# Allegro board RK_EVB7_RK3588_LP4XD200P232SD8_V11_20230111YWQ.brd (continued)
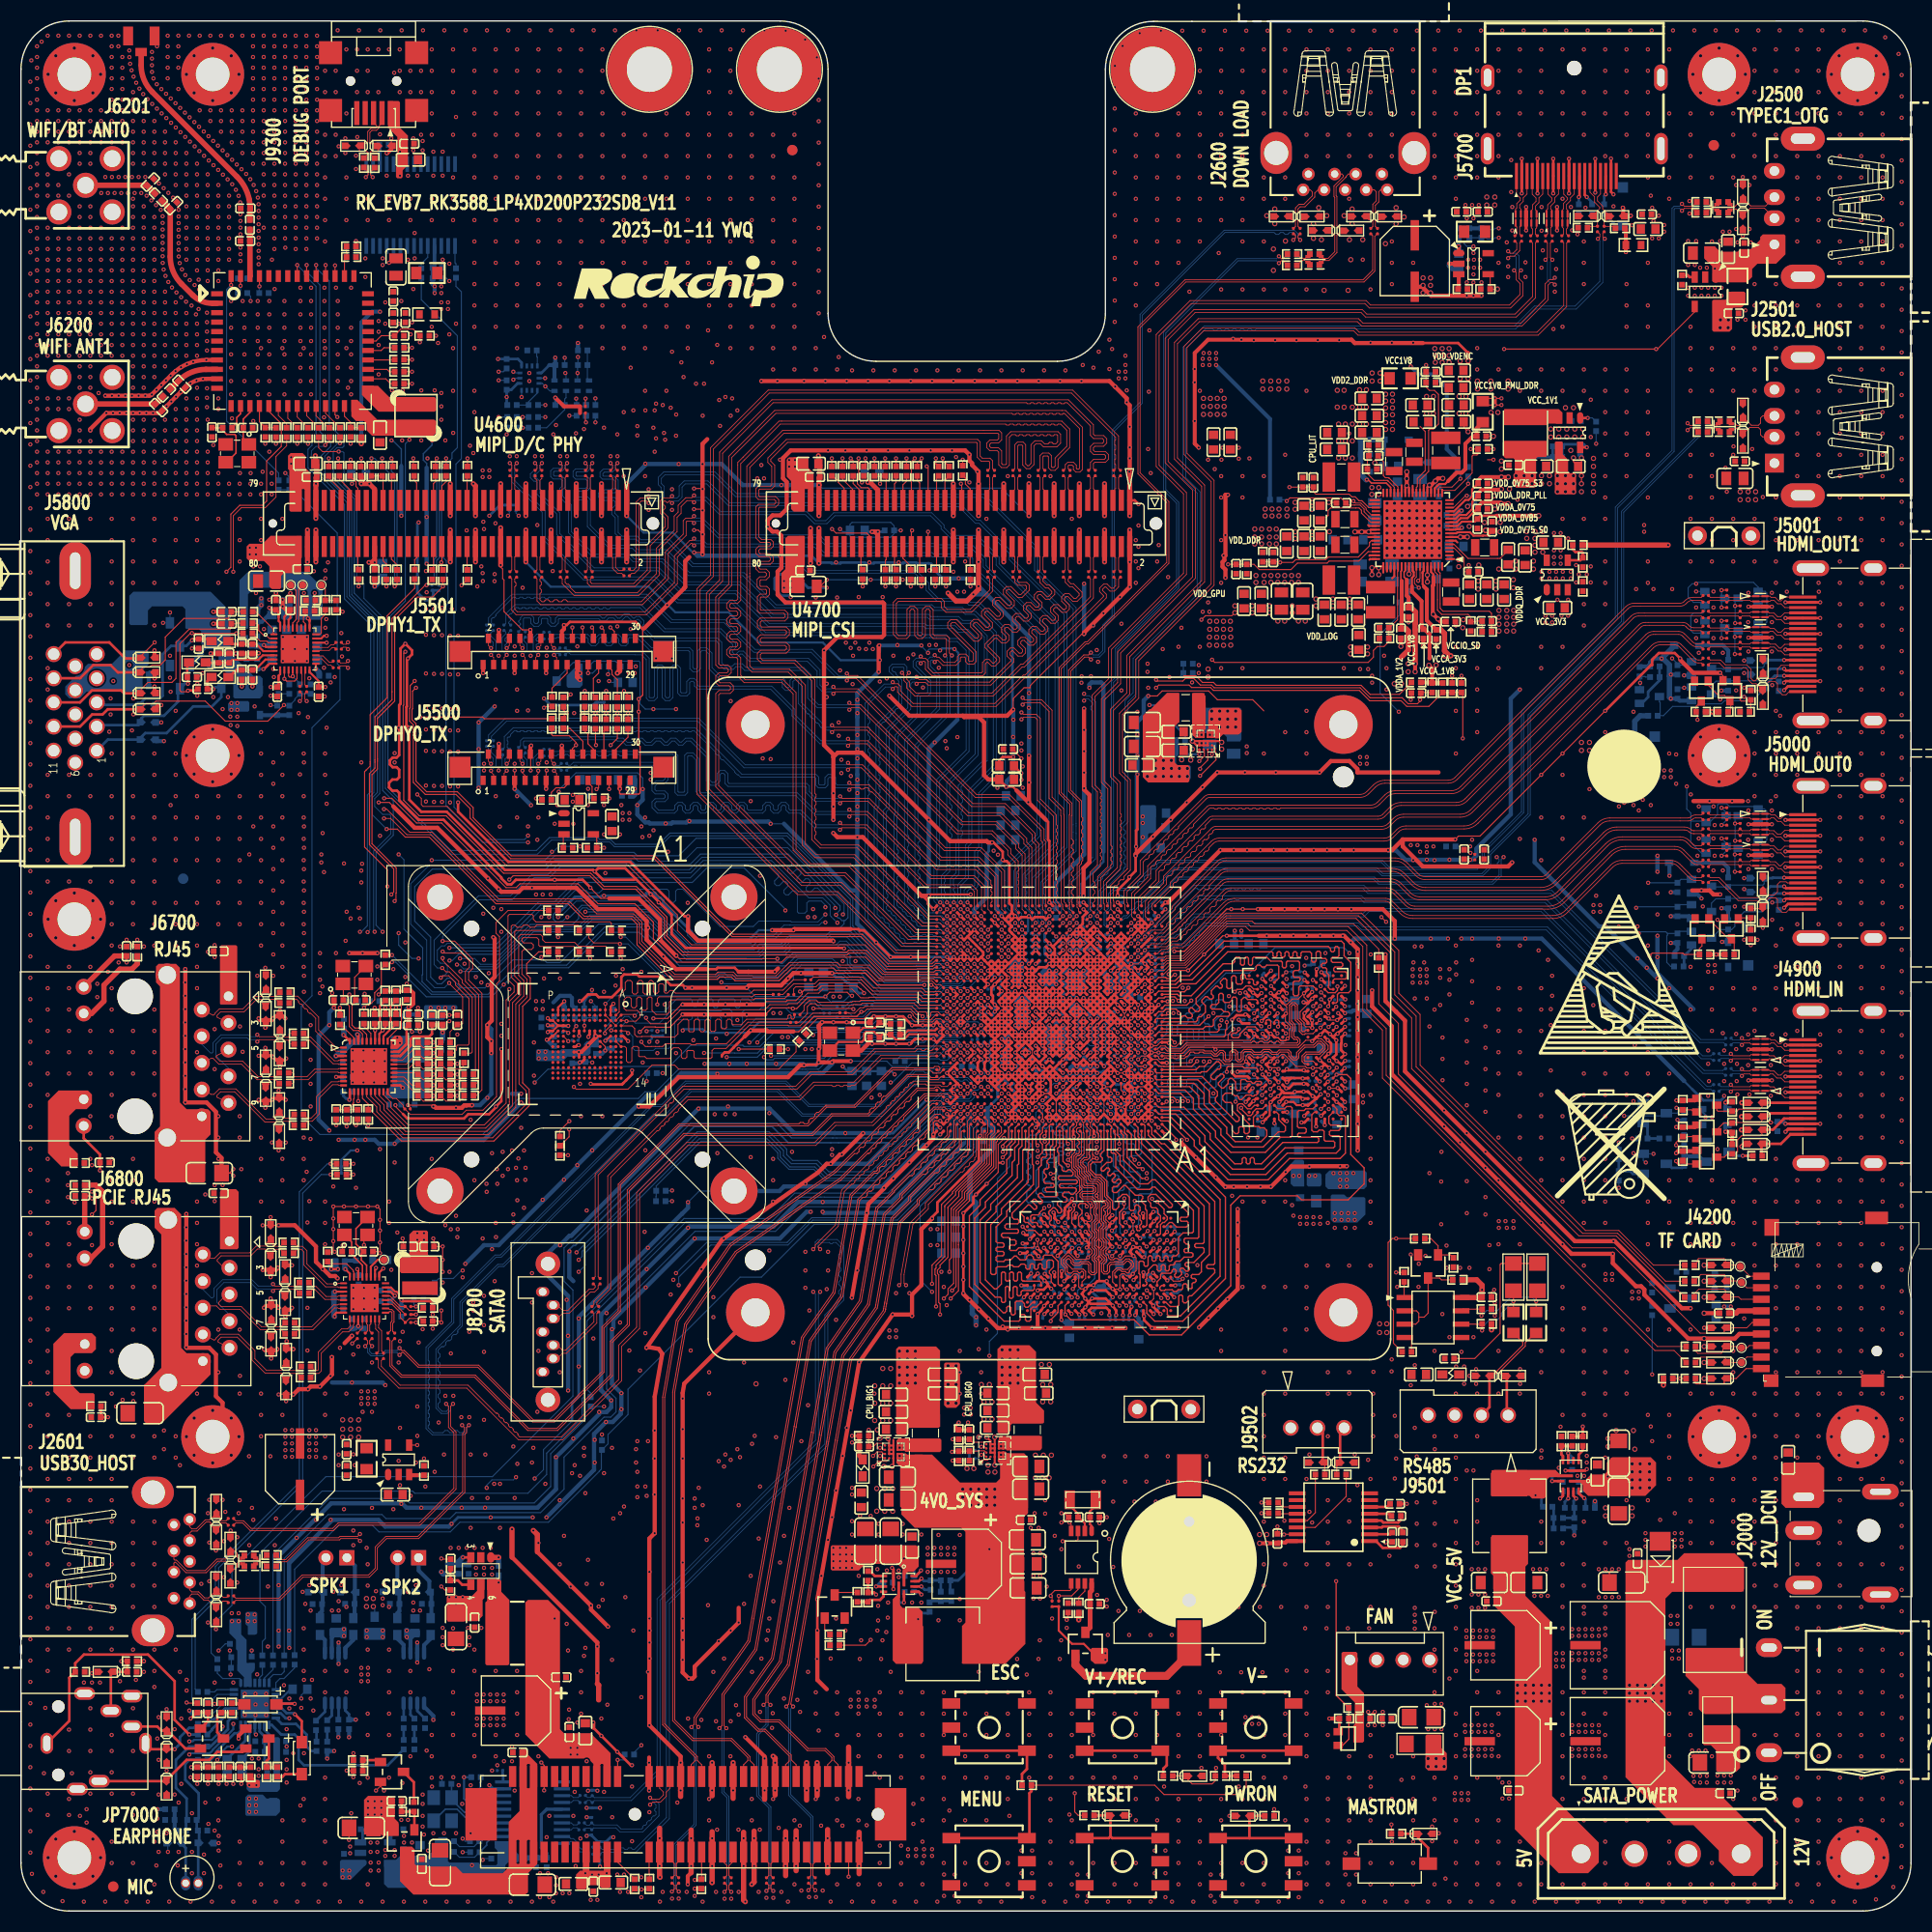
[diagram p0: board, top side]
## Routing (per net, layer and track width the routed paths; a pad name or vN(x,y) marks a point on that pad's centre or on a via; arc(x,y) is an arc through that point) (continued)
PHY0_CLKOUT125: length 1.9
  TOP w0.104: R6710.2 32.66,84.24 33.32,83.58 U6700.35
PHY0_LED0/CFG_EXT: length 5
  TOP w0.203: R6715.2 35.2,86.2 35.2,84.71 35.41,84.5 R6714.1 34.52,83.31 U6700.32
PHY0_LED1/CFG_LDO0: length 35.3
  TOP w0.203: U6700.33 34.12,83.54 v1(34.44,83.86) 34.7,84.11 R6718.1
  TOP w0.254: C6750.1 v1(10.06,90.34)
  TOP w0.508: J6700.11 8.9,90.95 C6750.1
  L6-S2 w0.254: v1(34.44,83.86) 33.17,85.13 27.84,85.13 25.68,87.29 23.39,87.29 20.73,89.96 17.55,89.96 16.66,90.85 10.57,90.85 v1(10.06,90.34)
PHY0_LED2/CFG_LDO1: length 43.9
  TOP w0.203: R6717.2 34.19,86.2 34.19,84.75 33.94,84.5 R6716.1 ; U6700.34 v1(33.72,83.86)
  TOP w0.254: v1(7.52,70.53) C6751.1 7.52,72.05 5.97,73.6 J6700.14 ; R6716.1 33.72,84.46 v1(33.72,83.86)
  L6-S2 w0.254: v1(33.72,83.86) 32.83,84.75 30.51,84.75 26.57,80.81 26.57,77.64 24.16,75.22 23.77,75.22 18.82,70.27 7.77,70.27 v1(7.52,70.53)
PHY0_MDI0+: length 8.1
  TOP w0.076: R6709.1 25.91,87.12 26.36,87.12 28.35,85.14 28.35,83.9 30.08,82.17 30.2,82.17 30.26,82.23 U6700.1
PHY0_MDI0-: length 8.3
  TOP w0.076: U6700.2 30.26,81.83 30.2,81.89 29.96,81.89 28.07,83.79 28.07,85.02 27.59,85.5 27.47,85.5 27.31,85.66 27.31,85.77 27.15,85.94 27.03,85.94 26.87,86.1 26.87,86.21 26.71,86.38 26.59,86.38 26.43,86.54 26.43,86.66 26.24,86.85 25.91,86.85 R6707.1
PHY0_MDI1+: length 4.9
  TOP w0.076: U6700.4 30.26,81.03 30.2,80.97 29.84,80.97 27.6,83.21 27.29,83.21 R6706.1
PHY0_MDI1-: length 4.9
  TOP w0.076: U6700.5 30.26,80.63 30.2,80.69 29.72,80.69 27.48,82.93 27.29,82.93 R6705.1
PHY0_MDI2+: length 5.8
  TOP w0.076: R6704.1 25.89,79.82 25.98,79.73 25.98,79.54 26.06,79.45 27.24,79.45 27.96,80.17 30.2,80.17 30.26,80.23 U6700.6
PHY0_MDI2-: length 5.8
  TOP w0.076: U6700.7 30.26,79.83 30.2,79.89 28.07,79.89 27.36,79.17 26.06,79.17 25.98,79.09 25.98,78.89 25.89,78.81 R6703.1
PHY0_MDI3+: length 6.3
  TOP w0.076: R6702.1 27.29,75.49 27.61,75.49 28.14,76.02 28.14,77.56 29.55,78.97 30.2,78.97 30.26,79.03 U6700.9
PHY0_MDI3-: length 6.3
  TOP w0.076: R6700.1 27.29,75.21 27.73,75.21 28.42,75.9 28.42,77.44 29.67,78.69 30.2,78.69 30.26,78.63 U6700.10
PHY0_REG_OUT:
  vias: v1(35.46,82.67) v1(35.84,83.17) v1(36.09,82.67)
PHY0_RSTN: length 4
  TOP w0.104: C6714.1 31.67,76.94 31.67,76.94 31.67,77.32 31.72,77.37 U6700.12 ; C6714.1 R6733.2 ; C6714.1 R6735.2
PHY0_RXCLK/PHYAD1: length 5.7
  TOP w0.086: R6740.1 39.45,82.21 38.31,82.21 R6723.1 37.62,82.53 37.62,82.32 36.33,81.03 U6700.27
PHY0_RXD0/RXDLY: length 7.9
  TOP w0.086: R6736.1 42.19,80.56 41.81,80.18 40.47,80.18 R6726.2 39.45,80.18 38.31,80.18 R6725.1 37.36,80.69 36.91,80.23 U6700.25
PHY0_RXD1/TXDLY: length 7.7
  TOP w0.086: U6700.24 37.64,79.83 R6729.1 38.31,79.16 39.45,79.16 R6728.2 40.47,79.16 41.81,79.16 42.2,79.55 R6737.1
PHY0_RXD2/PLLOFF: length 7.9
  TOP w0.086: R6738.1 42.2,78.53 41.81,78.15 40.47,78.15 R6731.2 39.45,78.15 38.31,78.15 R6730.1 37.24,78.65 36.46,79.43 U6700.23
PHY0_RXD3/PHYAD0: length 8.2
  TOP w0.086: U6700.22 36.41,79.03 R6721.1 38.31,77.13 39.45,77.13 R6722.2 40.47,77.13 41.81,77.13 42.2,77.52 R6739.1
PHY0_RXDV/PHYAD2: length 5.3
  TOP w0.086: U6700.26 36.67,80.63 37.74,81.7 R6724.1 38.31,81.19 39.45,81.19 R6741.1
PHY0_XTALIN: length 8.7
  TOP w0.104: Y6700.3 31.78,88.92 31.78,86.86 C6700.1 31.88,86.64 31.52,86.27 31.52,84.37 31.8,84.09 32.13,84.09 32.13,84.09 32.28,84.09 32.32,84.05 32.35,84.05 32.92,83.48 U6700.36
PHY0_XTALOUT: length 6.6
  TOP w0.104: Y6700.1 30.7,88.24 C6701.1 31.27,86.19 31.27,84.24 31.65,83.86 32.18,83.86 32.22,83.82 32.23,83.82 32.52,83.53 U6700.37
PHY1_MDI0+: length 7.2
  TOP w0.076: U6800.1 30.23,59.78 30.17,59.72 29.13,59.72 27.23,61.62 27.23,62.88 26.81,63.3 26.32,63.3 R6819.1
PHY1_MDI0-: length 7.2
  TOP w0.076: R6818.1 26.32,63.02 26.69,63.02 26.95,62.76 26.95,61.51 29.01,59.44 30.17,59.44 30.23,59.38 U6800.2
PHY1_MDI1+: length 3.9
  TOP w0.076: R6817.1 27.81,59.48 28.11,59.48 29.06,58.52 30.17,58.52 30.23,58.58 U6800.4
PHY1_MDI1-: length 3.9
  TOP w0.076: R6816.1 27.78,59.2 27.99,59.2 28.94,58.24 30.17,58.24 30.23,58.18 U6800.5
PHY1_MDI2+: length 5.7
  TOP w0.076: U6800.6 30.23,57.78 30.17,57.72 29.77,57.72 27.69,55.64 26.44,55.64 R6815.1
PHY1_MDI2-: length 5.7
  TOP w0.076: U6800.7 30.23,57.38 30.17,57.44 29.88,57.44 27.8,55.36 26.44,55.36 R6814.1
PHY1_MDI3+: length 7.4
  TOP w0.076: U6800.9 31.32,55.9 31.38,55.84 31.38,55.71 31.1,55.44 30.52,55.44 28.32,53.24 28.32,51.55 28.24,51.48 27.97,51.48 R6813.1
PHY1_MDI3-: length 7.9
  TOP w0.076: U6800.10 31.72,55.9 31.65,55.84 31.65,55.6 31.21,55.16 30.63,55.16 28.6,53.13 28.6,51.44 28.36,51.2 27.96,51.2 R6812.1
PHY1_XTALIN: length 6.8
  TOP w0.152: Y6800.3 31.9,64.99 31.9,63.52 C6803.1 32.41,62.59 32.41,62 32.92,61.49 U6800.28
PHY1_XTALOUT: length 4.7
  TOP w0.152: U6800.29 32.52,61.5 31.49,62.52 C6802.1 31.49,63.71 Y6800.1
PI6C_OE: length 3.7
  BOTTOM w0.152: R8131.2 43.78,12.29 43.73,12.24 R8132.2 44.12,11.45 44.58,10.99 U8102.8
PI6C_PDN: length 2.2
  BOTTOM w0.152: U8102.7 44.47,10.34 44.37,10.43 R8128.2
PI6C_S0: length 5.8
  BOTTOM w0.104: R8112.2 43.2,5.12 41.75,5.12 R8110.2
  BOTTOM w0.152: U8102.2 44.92,7.09 44.35,6.52 44.35,6.27 R8112.2
PI6C_S1: length 5.5
  BOTTOM w0.104: R8115.2 43.15,6.14 41.75,6.14 R8113.2
  BOTTOM w0.152: U8102.3 44.93,7.74 43.84,6.64 R8115.2
PI6C_S2: length 2.4
  BOTTOM w0.152: U8102.4 44.95,8.39 44.09,7.53 R8118.2
PMIC_EXT_EN_OUT: length 32.8
  TOP w0.089: U2200.39 128.6,132.96 128.1,133.45 128.1,133.6 127.61,134.09 127.09,134.09 127.03,134.15
  TOP w0.104: 127.03,134.15 v1(126.9,134.28)
  L6-S2 w0.104: v1(150.01,139.74) 149.98,139.77 147.28,139.77 144.38,136.87 144.38,135.76 144.04,135.42 142.42,135.42 141.92,134.91 140.87,134.91 140.5,135.28 139.58,135.28 138.71,134.41 138.71,133.52 138.07,132.88 136.93,132.88 136.42,133.39 136.42,134.03 135.66,134.79 129.82,134.79 129.45,134.42 127.04,134.42 v1(126.9,134.28)
  BOTTOM w0.104: R2304.1 v1(150.01,139.74)
PMIC_FB6: length 6.4
  TOP w0.102: C2216.2 128.23,138.47 R2204.1 128.23,136.89 128.87,136.25 130.13,136.25 130.19,136.18 130.21,136.18 130.79,135.6 U2200.31
  TOP w0.104: R2202.2 C2216.2
PMIC_FB9: length 10.3
  TOP w0.102: 134.9,123.89 135.31,123.48 137.82,123.48 138.07,123.23 R2208.1 138.61,122.79 138.67,122.85 C2233.2 R2207.2 ; U2200.66 134.64,127.55 134.9,127.29 134.9,124.88
  TOP w0.104: 134.9,123.89 134.9,124.88
PMIC_INT_L: length 254.9
  TOP w0.089: U2200.19 134.99,135.47 135.13,135.61 136.28,135.61 v1(137.09,136.41) ; U1000.M30 v1(89.49,81.75)
  L3-POWER1 w0.104: v1(70.76,81.32) 70.39,80.95 70.39,75.74 68.1,73.45 63.94,73.45 62.92,72.42 62.92,61.99 63.71,61.2 63.71,58.19 63.44,57.92 62.48,56.96 62.48,49.19 62.33,49.04 62.33,41.43 64.16,39.59 v1(64.16,39.28) ; v1(130.33,33.82) 130.45,33.95 130.45,35.47 130.17,35.76 130.17,46.73 130.17,48.84 131.91,50.57 131.91,52.1 134.37,54.56 134.52,54.71 134.52,83.3 137.06,85.84 137.06,91.96 137.56,92.45 137.56,98.33 139.18,99.95 139.18,100.79 140.26,101.86 140.26,116.47 140.39,116.6 140.39,116.6 143.05,119.26 143.05,130.07 142.75,130.37 142.75,131.66 143.05,131.96 143.05,133.34 141.48,134.91 140.77,134.91 140.27,135.42 140.11,135.42 139.12,136.41 v1(137.09,136.41)
  L6-S2 w0.104: v1(130.33,33.82) 129.39,33.82 129.29,33.93 117.52,33.93 117.5,33.95 98.83,33.95 97.18,35.6 90.2,35.6 89.56,36.24 80.67,36.24 78.68,38.23 74.04,38.23 72.85,39.41 64.26,39.41 64.16,39.31 v1(64.16,39.28)
  BOTTOM w0.089: v1(89.49,81.75) 89.17,82.08 89.17,82.48 89.17,82.48 89.17,82.54 88.92,82.78 87.48,82.78 86.57,81.87 86.42,81.87
  BOTTOM w0.104: v1(137.09,136.41) 137.09,136.85 R2214.2 ; 86.42,81.87 77.16,81.87 76.5,81.21 71.77,81.21 71.62,81.07 71.02,81.07 v1(70.76,81.32)
PMIC_PWR_CTRL1: length 150.9
  TOP w0.089: U1000.R32 v1(88.19,83.7) ; v1(133.07,126.69) 133.07,126.73 133.24,126.91 U2200.62
  L3-POWER1 w0.089: v1(88.19,83.7) 87.87,84.03 87.87,84.41 87.87,84.41 87.87,84.49 86.66,85.7
  L3-POWER1 w0.104: 86.66,85.7 86.08,86.27 85.25,86.27 83.45,88.07 76.53,88.07 73.5,91.1 72.99,91.1 71.15,92.94 71.15,100.99 66.41,105.72 66.41,139.88 65.3,140.99 65.3,142.03 v1(64.92,142.41)
  L6-S2 w0.104: v1(133.07,126.69) 132.64,126.69 132.11,126.15 125.12,126.15 122.45,128.82 119.15,128.82 118.26,129.71 117.25,129.71 116.99,129.96 116.99,131.23 113.31,134.91 95.15,134.91 88.5,141.56 67.42,141.56 66.93,142.05 65.75,142.05 65.73,142.03 65.3,142.03 v1(64.92,142.41)
PMIC_PWR_CTRL2: length 4.4
  TOP w0.089: v1(133.12,126.03) 132.72,126.43 132.72,126.87 132.89,127.05 132.89,128.06 U2200.61
  BOTTOM w0.104: R1115.2 132.23,124.69 R1116.1 132.56,126.02 133.12,126.02 133.12,126.03 v1(133.12,126.03)
PMIC_SPI_CLK: length 153.5
  TOP w0.089: U2200.17 136.33,134.36 137.82,135.84 v1(137.82,135.93)
  L3-POWER1 w0.104: v1(59.46,142.92) 59.08,142.53 59.08,141.58 59.08,141.58 59.08,141.26 59.08,141.26 59.08,138.6 58.95,138.47 58.95,133.03 58.57,132.65 58.57,131.47 59.46,130.58 59.46,129.14 59.46,107.61 60.98,106.09 60.98,101.96 60.22,101.2 60.22,97.1 60.35,96.97 60.35,96.66 60.1,96.41 60.1,91.35 60.86,90.59 60.86,87.54 61.68,86.72 61.68,86.18 61.67,86.17 61.67,80.36 v1(61.11,79.8)
  L6-S2 w0.104: v1(137.82,135.93) 137.82,136.44 135.92,138.34 129.95,138.34 129.36,137.76 129.36,137.74 129.11,137.49 120,137.49 119.66,137.84 113.44,137.84 112.04,136.44 103.91,136.44 102.26,138.09 95.16,138.09 91,142.26 68.35,142.26 67.77,142.83 66.63,142.83 66.05,142.83 65.77,143.11 62.45,143.11 62,142.66 60.63,142.66 60.51,142.54 59.84,142.54 v1(59.46,142.92)
  BOTTOM w0.104: v1(137.82,135.93) C2280.1 ; R1104.2 v1(61.11,79.8)
PMIC_SPI_CS: length 188.8
  TOP w0.089: 138.2,137.2 138.2,136.95 136.55,135.3 135.43,135.3 135.34,135.21 U2200.18 ; U1000.K30 89.82,80.13 v1(90.14,79.8)
  TOP w0.104: 138.2,137.2 138.2,138.57 138.31,138.67 138.66,138.67 138.77,138.78 R2212.1 v1(138.07,139.23)
  L3-POWER1 w0.104: v1(60.48,143.56) 60.51,143.53 60.51,143.39 60.86,143.04 60.86,141.9 61.73,141.03 61.73,137.78 62.64,136.87 62.64,114.85 62.89,114.59 62.89,113.92 62.55,113.58 62.55,100.5 62.1,100.06 62.1,94.65 61.62,94.17 61.62,93.62 62.1,93.13 62.1,92.74 63.25,91.6 65.04,89.8 65.23,89.8 66.69,89.8 66.69,89.81 67.33,89.81 67.71,89.42 67.71,85.48 67.61,85.38 67.61,84.09 67.71,83.99 67.71,82.39 67.97,82.14 67.97,78.15 66.07,76.24 v1(66.07,75.89)
  L6-S2 w0.089: v1(90.14,79.8) 89.75,79.42 86.42,79.42
  L6-S2 w0.104: 86.42,79.42 86.39,79.42 85.24,78.27 76.23,78.27 74.32,76.37 69.88,76.37 68.61,75.1 66.85,75.1 v1(66.07,75.89) ; v1(60.48,143.56) 60.48,143.56 60.73,143.8 66.06,143.8 66.34,143.52 67.97,143.52 67.97,143.53 68.48,143.53 68.48,143.52 69.14,143.52 69.71,142.95 100.45,142.95 105.44,137.96 110.13,137.96 111.15,138.98 116.66,138.98 117.04,139.36 137.03,139.36 137.04,139.35 137.95,139.35 v1(138.07,139.23)
PMIC_SPI_MOSI: length 189.1
  TOP w0.089: U2200.15 136.44,133.66 137.57,134.79 v1(137.69,134.79) ; v1(90.79,81.1) 90.76,81.07 90.75,81.07 U1000.L29
  TOP w0.104: R1107.2 v1(68.35,82.08)
  L3-POWER1 w0.104: v1(67.97,75.89) 68.35,76.27 v1(68.35,82.08) 67.95,82.49 67.95,84.14 67.85,84.24 67.85,85.29 67.95,85.39 67.95,89.52 67.43,90.04 66.6,90.04 65.13,90.04 63.48,91.69 62.51,92.66 62.51,100.14 62.78,100.41 62.78,113.45 63.14,113.82 63.14,114.85 62.89,115.1 62.89,137.02 61.96,137.95 61.96,141.13 61.12,141.97 v1(61.12,143.42)
  L6-S2 w0.089: 86.42,80.36 90.05,80.36 v1(90.79,81.1)
  L6-S2 w0.104: v1(61.12,143.42) 61.27,143.57 65.96,143.57 66.24,143.29 66.43,143.29 68.07,143.29 68.07,143.29 68.38,143.29 68.38,143.29 69.04,143.29 69.62,142.72 100.32,142.72 105.33,137.71 110.26,137.71 111.25,138.7 116.72,138.7 117.14,139.12 137.42,139.12 138.96,137.58 138.96,135.55 138.2,134.79 v1(137.69,134.79) ; 86.42,80.36 80.33,80.36 78.75,78.78 75.72,78.78 73.94,77 73.89,77 73.79,76.9 68.99,76.9 v1(67.97,75.89)
  BOTTOM w0.104: v1(137.69,134.79) 138.34,134.79 R2213.1
PMIC_SW1: length 1.3
  TOP w0.203: U2200.51 128.49,128.76 128.42,128.69 ; U2200.50 128.46,129.11 128.42,129.07
PMIC_SW2: length 1.1
  TOP w0.203: U2200.35 128.5,134.36 ; U2200.36 128.44,134.01
PMIC_SW3: length 1.2
  TOP w0.203: U2200.55 130.79,127.12 130.58,126.91
PMIC_SW4: length 0.8
  TOP w0.203: U2200.23 133.59,135.77 133.63,135.8
PMIC_SW5: length 0.7
  TOP w0.203: U2200.45 128.3,130.86
PMIC_SW6: length 0.7
  TOP w0.203: 131.49,135.78 U2200.29
PMIC_SW7: length 0.8
  TOP w0.203: U2200.42 128.38,131.91 128.3,131.99
PMIC_SW8: length 0.8
  TOP w0.203: U2200.6 136.64,130.51 136.8,130.34
PMIC_SW10: length 0.7
  TOP w0.203: 132.54,135.73 U2200.26
PMIC_VDC: length 7.2
  TOP w0.152: v1(128.17,136.31) 128.3,136.31 128.61,136 130.02,136 130.44,135.58 U2200.32
  BOTTOM w0.508: R2216.1 R2217.2 C2265.1 127.59,136.82 128.1,136.31 v1(128.17,136.31)
PWM3_M1_FAN: length 186.1
  TOP w0.089: U1000.AE28 v1(90.79,90.2)
  TOP w0.127: 126.46,19.33 R2425.2 126.46,16.37 125.87,15.77 Q2400.2 ; R2403.2 125.25,20.55 v1(125.25,31.41)
  TOP w0.254: 126.46,19.33 R2403.2
  L3-POWER1 w0.104: v1(55.02,29) 54.63,29.39 54.63,34.52 57.94,37.83 57.94,44.24 58.32,44.62 58.32,47.67 60.45,49.8 60.45,60.28 60.7,60.52 60.7,69.16 61.02,69.49 61.02,75.79 66.07,80.83 66.07,82.46 65.68,82.84 65.68,87.54 66.6,88.45 v1(66.7,88.45)
  L6-S2 w0.104: v1(55.02,29) 55.49,29 58.16,26.33 82.07,26.33 82.32,26.08 87.91,26.08 88.37,26.54 101.07,26.54 101.88,27.35 101.88,28.74 104.67,31.54 125.12,31.54 v1(125.25,31.41)
  BOTTOM w0.089: 86.34,86.88 87.01,86.88 88.06,87.93 90.28,87.93 91.12,88.77 91.12,89.88 v1(90.79,90.2)
  BOTTOM w0.104: v1(66.7,88.45) 66.81,88.45 66.95,88.31 73.18,88.31 73.56,88.69 73.56,89.32 74.32,90.08 77.02,90.08 77.85,89.25 78.26,89.25 78.82,88.69 79.07,88.69 79.07,88.69 79.65,88.69 81.46,86.88 86.34,86.88
PWM15_M2: length 195.7
  TOP w0.089: U1000.D29 v1(90.14,75.9)
  TOP w0.104: R4642.1 v1(34.39,138.34) ; R4740.1 v1(81.29,138.34)
  L3-POWER1 w0.104: v1(40.81,60.87) 40.33,61.36 39.77,61.36 37.19,63.94 37.19,64.62 36.22,65.59 36.22,74.41 37.24,75.42 37.24,82.72 36.09,83.86 36.09,86.27 35.84,86.53 35.84,91.07 34.06,92.85 34.06,93.64 33.22,94.48 33.22,100.42 35.96,103.16 35.96,111.07 35.03,112 35.03,125.72 35.18,125.87 35.18,126.43 34.7,126.91 34.7,138.04 v1(34.39,138.34)
  L6-S2 w0.104: v1(34.39,138.34) 35.03,138.98 41.05,138.98 42.63,140.57 45.43,140.57 46.76,139.23 57.99,139.23 58.35,138.87 59.57,138.87 60.08,138.36 60.74,138.36 60.85,138.46 65.24,138.46 65.4,138.3 71.61,138.3 72.73,137.18 73,137.18 73,137.18 73.32,137.18 73.87,137.18 74.3,137.18 74.57,137.45 80.8,137.45 81.29,137.94 v1(81.29,138.34) ; v1(62.38,60.75) 62.06,61.07 60.41,61.07 59.84,61.64 59.59,61.64 57.3,63.92 45.87,63.92 45.62,63.67 43.61,63.67 v1(40.81,60.87)
  BOTTOM w0.089: 90.2,73.47 90.2,74.55 90.09,74.67 90.09,75.66 90.14,75.71 v1(90.14,75.9)
  BOTTOM w0.104: v1(62.38,60.75) 65.3,63.67 72.95,63.67 75.32,66.03 83.26,66.03 90.2,72.96 90.2,73.47
PWRON_L: length 132.7
  TOP w0.089: v1(137.88,128.18) C2268.1 137.53,127.55 137.44,127.64 137.44,128.85 136.48,129.81 U2200.4
  TOP w0.104: R9204.1 v1(119.35,9.69)
  L3-POWER1 w0.104: v1(137.88,128.18) 135.66,125.97 135.66,122.98 133.98,121.3 133.98,120.26 133.63,119.91 133.63,107.55 131.85,105.77 131.85,92.12 132.06,91.91 132.06,86.49 132.87,85.68 132.87,62.27 132.61,62.02 132.61,59.22 133.76,58.08 133.76,54.6 131.45,52.29 131.45,50.77 129.69,49.01 129.69,42.9 128.04,41.25 128.04,34.2 127.92,34.08 127.92,18.26 v1(119.35,9.69)
REFCLK_OUT: length 77.7
  TOP w0.104: U4700.41 89.59,135.85 v1(89.52,135.93)
  L6-S2 w0.104: v1(89.52,135.93) 89.59,136.01 89.59,136.98 90.2,137.58 90.2,138.29 89.94,138.54 89.94,138.9 88.02,140.83 66.32,140.83 66.29,140.86 63.37,140.86 62.84,141.39 61,141.39 60.36,140.76 59.18,140.76 58.93,141.01 57.41,141.01 57.3,141.11 56.06,141.11 55.68,140.73 54.67,140.73 54.64,140.76 53.46,140.76 53.1,141.12 50.24,141.12 47.95,143.4 41.84,143.4 41.08,142.64 32.95,142.64 30.92,140.61 26.09,140.61 25.07,139.58 25.07,137.05 v1(25.17,136.95)
  BOTTOM w0.104: R1132.2 25.55,136.57 v1(25.17,136.95)
REFCLKN_100M_RJ45: length 3.5
  TOP w0.076: U6800.16 34.12,55.9 34.05,55.84 34.05,55.55 34.34,55.26 34.34,53.35 34.52,53.17 R6803.1
REFCLKP_100M_RJ45: length 3.5
  TOP w0.076: R6801.1 33.89,53.12 34.06,53.3 34.06,55.14 33.78,55.43 33.78,55.84 33.72,55.9 U6800.15
RESET_L: length 364.5
  TOP w0.089: U1000.M31 v1(88.84,81.1) ; 127.03,133.9 127.53,133.9 127.91,133.52 127.91,133.26 128.57,132.61 128.93,132.61
  TOP w0.104: v1(100.36,11.22) 100.36,9.44 100.69,9.11 R9201.1 ; 127.03,133.9 126.38,133.9 C2266.1 125.7,134.58 120.85,134.58 v1(120.55,134.28) ; U2200.40 128.93,132.61
  L3-POWER1 w0.104: v1(142.52,134.41) 143.28,133.64 143.28,131.86 142.98,131.56 142.98,130.46 143.28,130.16 143.28,119.17 143.15,119.03 140.49,116.37 140.49,101.77 139.41,100.69 139.41,99.83 137.79,98.21 137.79,92.36 137.65,92.22 137.31,91.88 137.31,85.77 134.77,83.23 134.77,54.63 132.14,52 132.14,50.48 130.4,48.74 130.4,46.64 130.4,35.91 130.73,35.58 130.73,33.34 130.45,33.06 130.45,20.74 131.47,19.73 v1(131.47,12.49) ; v1(42.82,75.35) 42.7,75.35 41.3,73.95 41.3,71.03 42.8,69.53 42.8,69.28 43.46,68.62 43.46,40.05 43.65,39.86 43.65,37.44 55.27,25.82 v1(55.27,18.33)
  L6-S2 w0.089: v1(88.84,81.1) 88.6,80.86 86.42,80.86
  L6-S2 w0.104: v1(55.27,18.33) 58.57,18.33 60.48,16.42 66.83,16.42 68.1,15.15 71.78,15.15 72.42,14.52 79.15,14.52 79.65,14.01 97.56,14.01 v1(100.36,11.22) 101.24,12.11 107.16,12.11 107.54,12.49 116.61,12.49 116.87,12.23 131.22,12.23 v1(131.47,12.49) ; 86.42,80.86 80.15,80.86 78.54,79.25 75.37,79.25 73.55,77.43 45.28,77.43 43.21,75.35 v1(42.82,75.35) ; v1(142.52,134.41) 142.39,134.53 140.74,134.53 139.61,133.4 139.09,133.4 138.31,132.63 136.68,132.63 136.07,133.24 136.07,134.05 135.59,134.53 129.95,134.53 129.6,134.19 127.44,134.19 127.15,133.9 126.52,133.9 124.99,135.42 122.07,135.42 121.56,134.91 121.18,134.91 v1(120.55,134.28)
  BOTTOM w0.089: 86.42,81.16 87.43,81.16 87.57,81.02 88.21,81.02 88.41,81.23 C1100.1 88.63,81.32 v1(88.84,81.1)
  BOTTOM w0.104: 86.42,81.16 84.39,81.16 R1100.1 ; v1(120.55,134.28) 120.42,134.41 R2215.2
RJ45_1_GR-: length 8.7
  TOP w0.508: R6711.2 11.07,90.21 10.57,89.7 9.42,89.7 7.9,88.18 7.9,86.65 6.73,85.48 J6700.12
RJ45_1_MDI0+: length 9.4
  TOP w0.076: J6700.2 18.29,85.31 18.41,85.35 18.48,85.51 18.89,85.92 21.13,85.92 22.31,87.1 22.87,87.1 22.95,87.19 22.95,87.48 23.3,87.82 ED6700.1 23.65,87.51 23.65,87.18 23.72,87.1 24.25,87.1 R6709.2
RJ45_1_MDI0-: length 9.1
  TOP w0.076: J6700.3 18.7,85.11 18.66,85.23 18.71,85.34 19.01,85.64 21.25,85.64 22.43,86.82 22.87,86.82 22.95,86.73 22.95,86.44 ED6701.1 23.65,86.45 23.65,86.74 23.72,86.82 24.3,86.82 R6707.2
RJ45_1_MDI1+: length 12.8
  TOP w0.076: R6706.2 25.62,83.58 25.54,83.49 25.54,83.3 25.45,83.21 25.04,83.21 24.92,83.34 24.92,83.7 ED6702.1 24.62,83.96 24.53,83.87 24.53,83.35 24.44,83.26 22.69,83.26 v1(22.5,83.45)
  BOTTOM w0.076: v1(22.5,83.45) 22.32,83.26 21.83,83.26 21.65,83.45 19.04,83.45 18.29,82.69 18.29,81.8 18.21,81.72 18.04,81.72 17.22,82.54 J6700.4
RJ45_1_MDI1-: length 12.8
  TOP w0.076: R6705.2 25.62,82.57 25.54,82.65 25.54,82.84 25.45,82.93 25.04,82.93 24.92,82.81 24.92,82.59 ED6703.1 24.53,82.37 24.53,82.9 24.44,82.98 22.69,82.98 v1(22.5,82.8)
  BOTTOM w0.076: v1(22.5,82.8) 22.32,82.98 21.72,82.98 21.53,83.17 19.16,83.17 18.57,82.58 18.57,81.45 19.76,80.25 J6700.7
RJ45_1_MDI2+: length 9.4
  TOP w0.076: R6704.2 24.23,79.45 23.74,79.45 23.65,79.54 23.65,79.89 ED6704.1 23.3,80.2 22.95,79.86 22.95,79.54 22.87,79.45 22.59,79.45 21.11,80.94 18.95,80.94 18.59,81.3 18.59,81.4 18.7,81.5 J6700.5
RJ45_1_MDI2-: length 9.5
  TOP w0.076: R6703.2 24.23,79.17 23.72,79.17 23.65,79.1 23.65,78.78 ED6705.1 22.95,78.77 22.95,79.09 22.87,79.17 22.48,79.17 20.99,80.66 18.84,80.66 18.28,81.22 18.12,81.22 J6700.6
RJ45_1_MDI3+: length 11.3
  TOP w0.076: R6702.2 25.65,75.49 25.03,75.49 24.92,75.61 24.92,75.83 ED6706.1 24.57,76.14 24.22,75.8 24.22,75.5 24.14,75.42 23.34,75.42 20.46,78.3 18.89,78.3 18.37,77.77 18.13,77.77 J6700.8
RJ45_1_MDI3-: length 11.3
  TOP w0.076: J6700.9 18.7,77.49 18.66,77.53 18.66,77.67 19.01,78.02 20.35,78.02 23.23,75.14 24.14,75.14 24.22,75.05 24.22,74.75 ED6707.1 24.92,74.76 24.92,75.14 24.99,75.21 25.65,75.21 R6700.2
RJ45_2_GR-: length 9.3
  TOP w0.508: R6820.2 7.14,69.13 7.77,68.49 7.77,63.29 6.65,62.16 J6800.12
RJ45_2_MDI0+: length 9.5
  TOP w0.076: R6819.2 24.68,63.3 24.16,63.3 24.03,63.43 24.03,63.81 ED6800.1 23.39,63.65 23.39,63.4 23.32,63.32 22.4,63.32 21.75,62.68 18.94,62.68 18.43,62.16 17.69,62.16 J6800.2
RJ45_2_MDI0-: length 9.4
  TOP w0.076: J6800.3 19.33,61.26 18.69,61.9 18.69,62.02 19.06,62.4 21.87,62.4 22.52,63.05 23.25,63.05 23.39,62.91 23.39,62.68 ED6801.1 24.03,62.6 24.03,62.89 24.16,63.02 24.68,63.02 R6818.2
RJ45_2_MDI1+: length 13.1
  TOP w0.076: R6817.2 26.16,59.49 25.55,59.49 25.43,59.62 25.43,59.98 ED6802.1 25.13,60.24 24.78,59.9 24.78,59.6 24.69,59.51 24.19,59.51 v1(24,59.7)
  BOTTOM w0.076: J6800.4 17.32,59.2 18.13,58.39 18.25,58.39 18.37,58.52 18.37,59.3 19.2,60.13 21.98,60.13 22.59,59.51 23.81,59.51 v1(24,59.7)
RJ45_2_MDI1-: length 13.1
  TOP w0.076: v1(24,59.05) 24.19,59.24 24.69,59.24 24.78,59.15 24.78,58.85 ED6803.1 25.43,58.81 25.43,59.08 25.55,59.21 26.16,59.21 R6816.2
  BOTTOM w0.076: J6800.7 19.86,56.77 18.65,57.98 18.65,59.18 19.32,59.85 21.87,59.85 22.48,59.24 23.81,59.24 v1(24,59.05)
RJ45_2_MDI2+: length 9.8
  TOP w0.076: J6800.5 19.58,58.72 18.82,57.95 18.82,57.81 19.06,57.57 20.98,57.57 22.9,55.65 23.37,55.65 23.46,55.74 23.46,56.03 23.81,56.38 ED6804.1 24.16,56.07 24.16,55.77 24.28,55.64 24.78,55.64 R6815.2
RJ45_2_MDI2-: length 9.9
  TOP w0.076: J6800.6 17.5,57.63 18.61,57.63 18.95,57.29 20.86,57.29 22.78,55.37 23.37,55.37 23.46,55.29 23.46,54.99 ED6805.1 24.16,55 24.16,55.24 24.28,55.36 24.77,55.36 R6814.2
RJ45_2_MDI3+: length 12.8
  TOP w0.076: J6800.8 18.38,54.37 18.5,54.41 18.58,54.57 18.94,54.93 20.72,54.93 22.28,53.37 22.28,52.59 23.36,51.51 24.8,51.51 24.88,51.6 24.88,51.92 25.23,52.26 ED6806.1 25.55,51.98 25.55,51.55 25.63,51.48 26.29,51.48 26.68,51.86 R6813.2
RJ45_2_MDI3-: length 12.4
  TOP w0.076: R6812.2 26.29,51.2 25.63,51.2 25.55,51.12 25.55,50.81 ED6807.1 24.88,50.83 24.88,51.15 24.8,51.23 23.24,51.23 22,52.48 22,53.25 20.6,54.65 19.06,54.65 18.81,54.4 18.75,54.29 18.79,54.17 J6800.9
RK1608_IRQ: length 119.3
  TOP w0.104: v1(86.39,131.36) 86.39,131.35 U4700.50
  L3-POWER1 w0.104: v1(62,68.62) 62.22,68.84 62.22,72.7 63.7,74.19 67.31,74.19 69.62,76.49 69.62,81.83 68.61,82.84 68.61,85.36 68.18,85.78 68.18,89.62 67.53,90.27 66.54,90.27 65.23,90.27 63.71,91.79 63.71,91.79 62.76,92.73 62.76,100.07 63.01,100.31 63.01,113.32 63.4,113.72 63.4,114.98 63.14,115.23 63.14,137.84 62.38,138.6 v1(62.38,140.5)
  L6-S2 w0.104: v1(62.38,140.5) 62.38,140.35 66.11,140.35 66.18,140.28 84.9,140.28 85.06,140.12 87.02,140.12 88.34,138.8 88.35,138.8 88.62,138.53 88.62,138.52 88.67,138.47 88.67,137.74 87.02,136.09 87.02,131.99 v1(86.39,131.36)
  BOTTOM w0.104: R1531.2 61.97,68.59 v1(62,68.62)
RK1608_RST: length 103.9
  TOP w0.104: v1(52.22,75.22) 51.3,74.3 51.3,73.8 R1533.2 ; v1(84.86,131.49) 84.79,131.42 U4700.54
  L3-POWER1 w0.104: v1(52.22,75.22) 52.22,77 53.63,78.41 53.63,83.75 54.03,84.16 54.03,84.47 53.81,84.69 53.81,86.72 53.4,87.13 53.4,94.98 53.37,95.01 53.37,100.98 53.62,101.23 53.62,106.72 53.24,107.1 53.24,112.18 51.59,113.83 51.59,115.87 52.86,117.13 52.86,118.15 53.6,118.89 53.6,121.35 52.98,121.96 52.98,122.6 50.06,125.52 50.06,127.93 49.25,128.74 49.25,131.92 v1(49.17,131.99)
  L6-S2 w0.104: v1(49.17,131.99) 56.35,131.99 60.59,127.76 63.23,127.76 63.37,127.62 65.65,127.62 68.24,130.22 83.6,130.22 v1(84.86,131.49)
ROUT1: length 3.6
  TOP w0.254: C7019.1 24.39,19.75 26.04,19.75 v1(26.06,19.73)
  BOTTOM w0.254: v1(26.06,19.73) 26.04,19.75 24.94,19.75 24.92,19.73 U7000.11
ROUT2: length 5.8
  BOTTOM w0.254: U7000.14 24.83,17.82 26.19,17.82 27.2,16.8 27.2,15.66 27.63,15.24 R7026.1
RS232_RX: length 4.7
  TOP w0.104: ED9502.1 124.17,42.54 R9520.2
  TOP w0.254: J9502.2 123.98,45.51 ED9502.1
RS232_TX: length 4.7
  TOP w0.104: R9519.2 125.31,42.37 ED9503.1
  TOP w0.254: ED9503.1 125.63,45.63 J9502.3
RSET: length 3.4
  TOP w0.104: U6800.31 31.72,60.81 31.65,60.87 31.65,61 31.01,61.64 29.42,61.64 R6802.2
RSET0: length 2.2
  TOP w0.104: U6700.39 31.72,83.15 30.45,84.43 R6719.1
RTC_INT_L: length 109.6
  TOP w0.089: v1(89.49,81.1) U1000.L30
  TOP w0.104: U2400.3 100.67,35.4 100.48,35.22 v1(99.21,35.22)
  L3-POWER1 w0.104: v1(67.08,75.89) 65.84,74.65 63.7,74.65 63.51,74.65 61.74,72.87 61.74,69.22 61.39,68.87 61.39,60.62 61.39,60.18 61.15,59.93 61.15,49.51 60.99,49.35 60.99,49.34 59.33,47.69 59.33,44.36 59.46,44.24 v1(59.46,40.43)
  L6-S2 w0.089: v1(89.49,81.1) 88.98,80.6 86.42,80.6
  L6-S2 w0.104: v1(59.46,40.43) 60.22,40.43 60.99,39.66 72.93,39.66 74.13,38.46 79.84,38.46 80.29,38.02 80.29,37.51 81.31,36.49 89.63,36.49 90.27,35.85 97.43,35.85 98.07,35.22 v1(99.21,35.22) ; v1(67.08,75.89) 67.36,75.89 68.61,77.13 73.69,77.13 75.57,79.01 78.64,79.01 80.22,80.6 86.42,80.6
SARADC_VIN1_KEY/RECOVERY: length 182.4
  TOP w0.089: v1(99.24,94.1) U1000.AL16
  TOP w0.104: R9200.1 111.13,12.87 ED9200.1 111.15,12.49 111.53,12.11 113.44,12.11 113.75,12.42 R9202.1 113.75,13.56 v1(113.82,13.63) ; v1(108.1,117.26) 108.23,117.13 110.64,117.13 110.89,117.39 111.69,117.39 112.32,116.75 113.38,116.75 113.64,116.5 127.53,116.5 128.48,115.55 131.53,115.55 132.11,114.98 133,114.98 133.25,115.23 v1(133.25,115.36) 133.32,115.43 C1511.1 133.38,116.05 R1500.1